# Altium PCB Thunderscope_Rev2.PCBDOC (part 5 of 6)
Units mm, origin at the board's own origin, x right, y up, seen from the top; angles counter-clockwise.
Board outline 119 x 104 mm, 6 copper layers (Top Layer, Int1 (GND), Int2 (Sign), Int3 (Sign), Int4 (GND), Bottom Layer), stack 1.49 mm thick; 547 components, 321 nets, 1905 pads, 1168 vias.
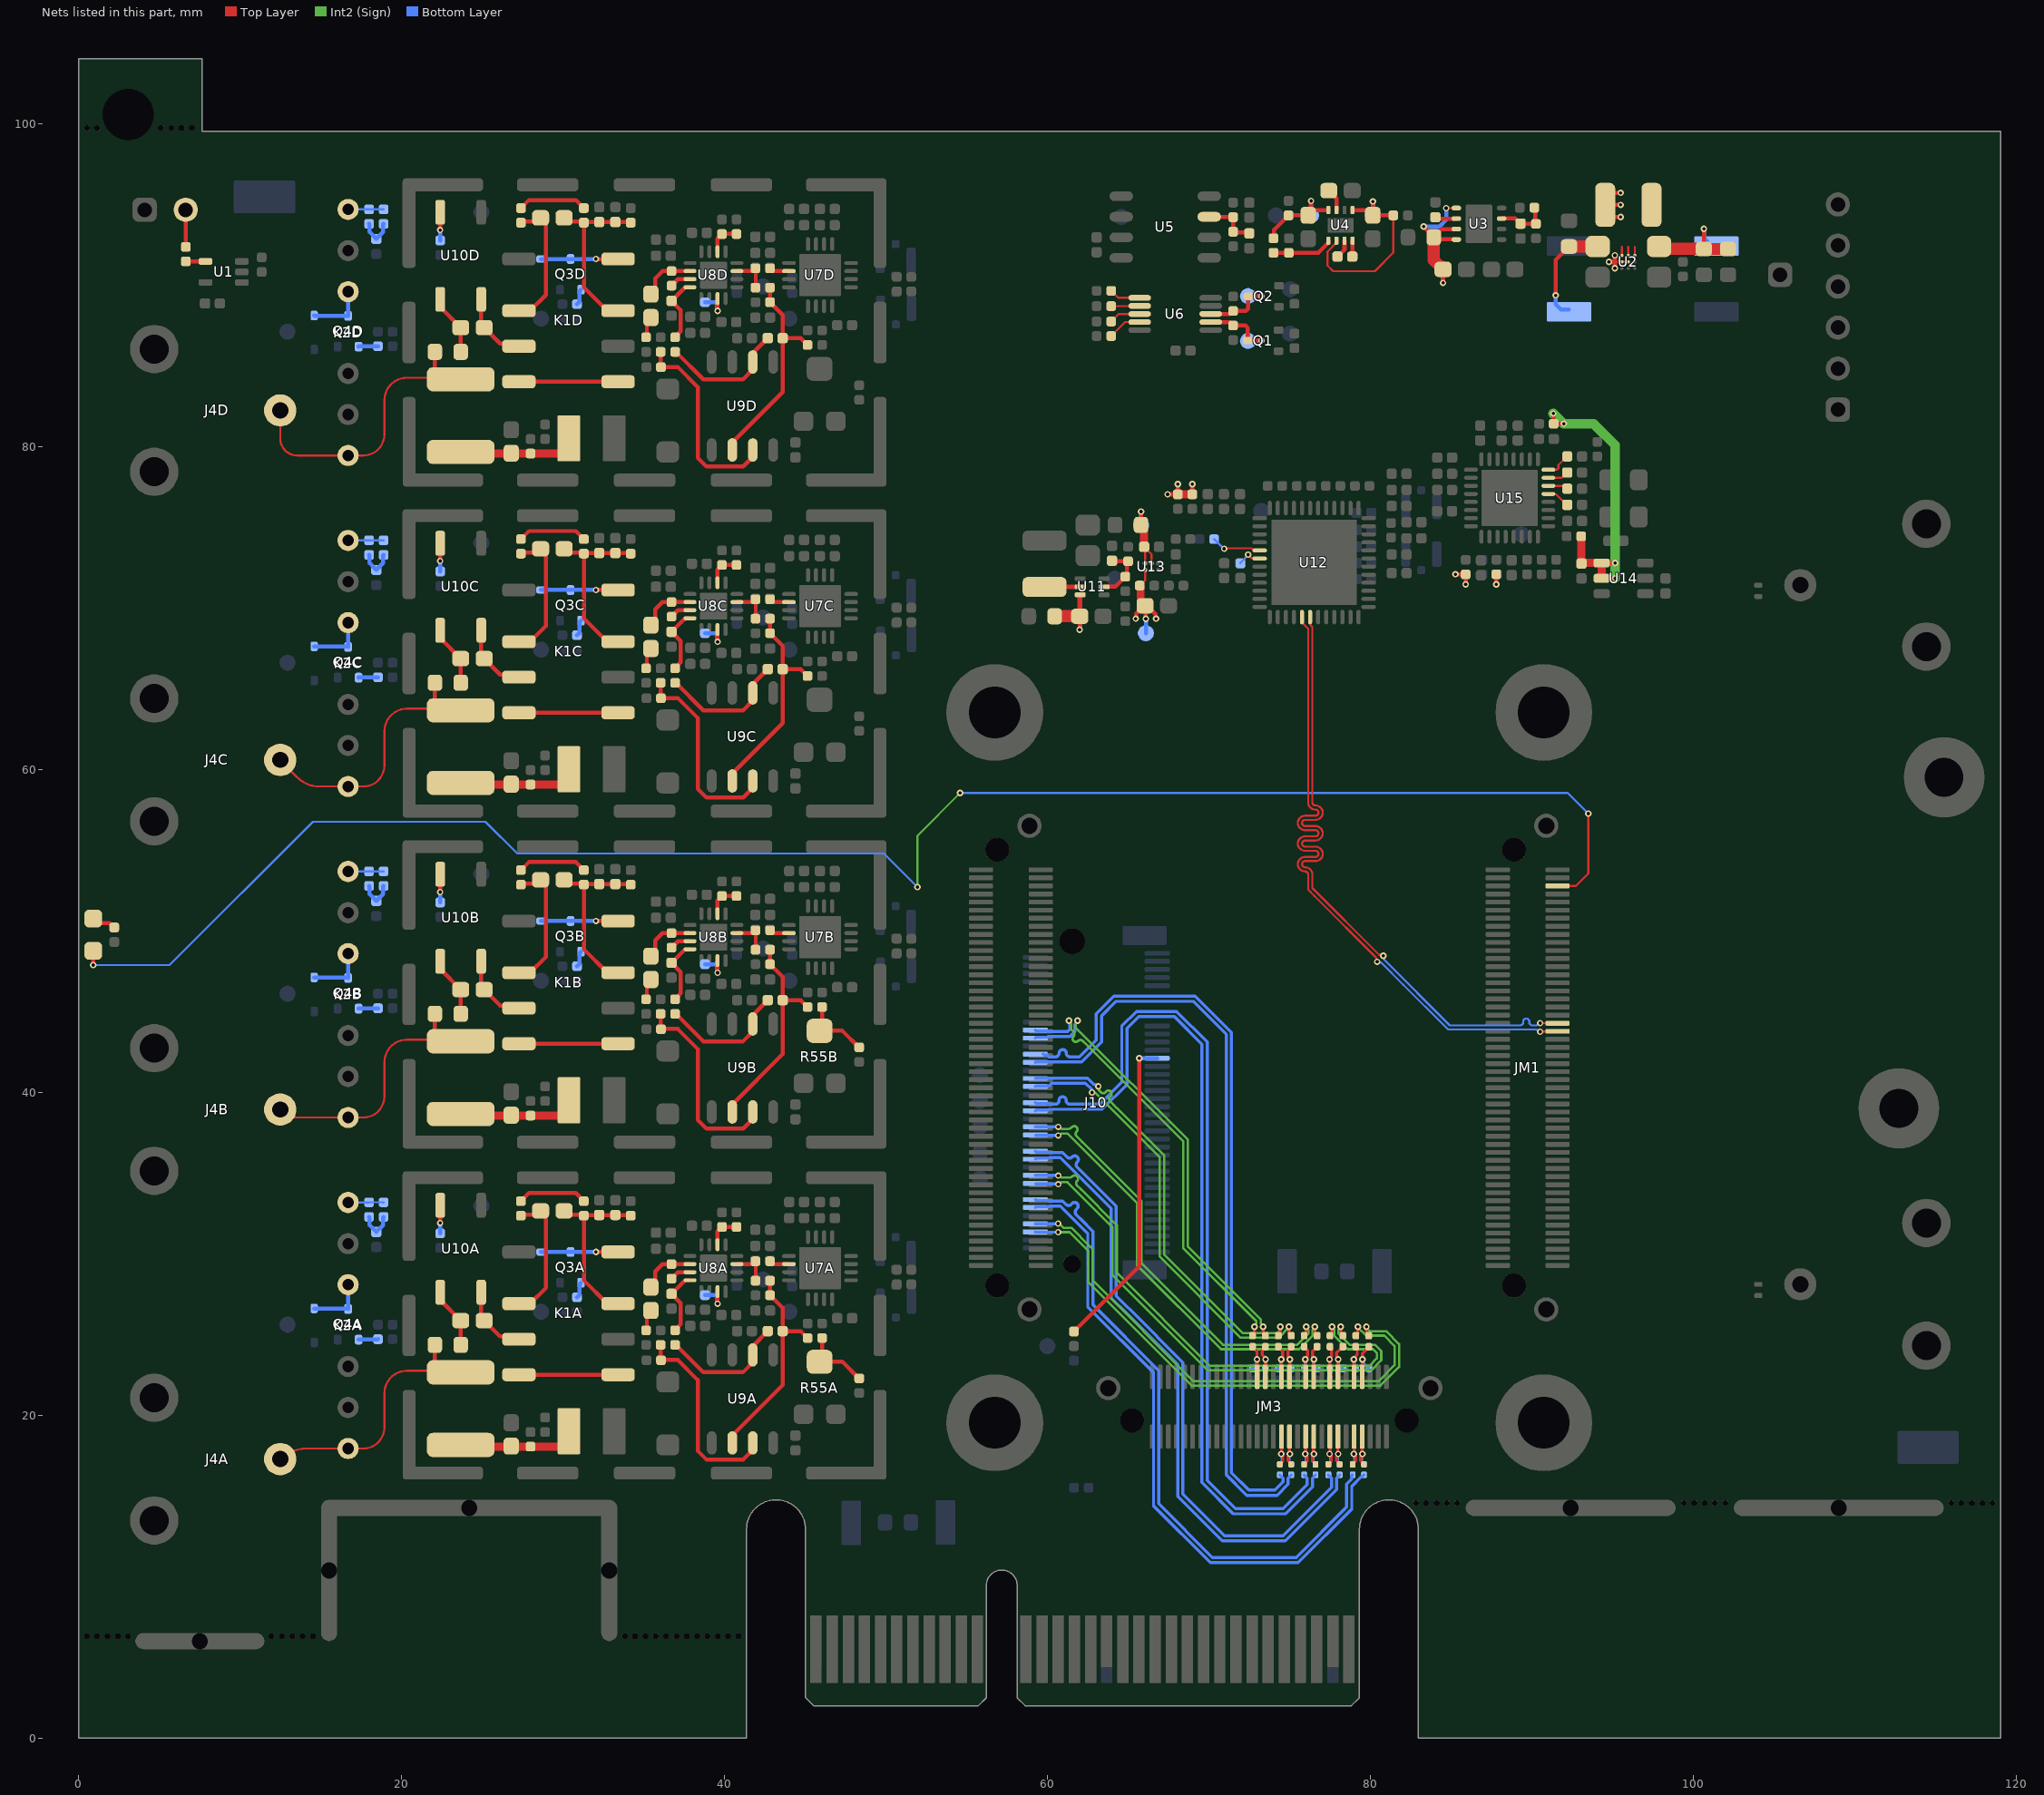
[diagram p9: the nets of this part, all layers, seen from the top]

## Via types
v1: diameter 0.406, hole 0.203, Top Layer to Bottom Layer, tented both sides, 1168 vias

## Nets (pads, with @x,y where several pads share a name; then routed paths per layer and width w, separated by ;. In a path a pad name is that pad's centre, name@x,y a point inside that pad or via, vN(x,y) a via of type N, cw(c..) or ccw(c..) an arc to the next point about the centre after c; other vN are vias at no path point) (continued)
LCLK_N: JM1.62 U12.18 | length 42
  Top Layer w0.127: U12.18@76.243,69.425 76.264,69.404 76.264,68.929 76.382,68.81 76.382,58.141 76.382,57.949 ccw(c76.573,57.949) 76.573,57.758 76.575,57.758 cw(c76.575,57.311) 76.575,56.863 75.933,56.863 ccw(c75.933,56.672) 75.933,56.482 76.575,56.482 cw(c76.575,56.034) 76.575,55.587 75.933,55.587 ccw(c75.933,55.396) 75.933,55.206 76.575,55.206 cw(c76.575,54.758) 76.575,54.31 75.933,54.31 ccw(c75.933,54.12) 75.933,53.929 75.934,53.929 cw(c75.934,53.481) 76.382,53.481 76.382,52.925 76.382,52.647 80.526,48.503 80.722,48.503 v1(80.775,48.45) ; v1(90.487,44.275) 90.491,44.271 JM1.62@91.567,44.271
  Bottom Layer w0.127: v1(80.775,48.45) 80.828,48.397 80.828,48.201 84.893,44.137 89.182,44.137 89.246,44.137 ccw(c89.246,44.327) 89.436,44.327 89.436,44.369 cw(c89.627,44.369) 89.817,44.369 89.817,44.327 ccw(c90.008,44.327) 90.008,44.137 90.273,44.137 90.411,44.275 90.475,44.275 v1(90.487,44.275)
LCLK_P: JM1.60 U12.17 | length 42
  Top Layer w0.127: U12.17@75.743,69.425 75.743,69.082 76,68.825 76.125,68.7 76.125,58.141 76.125,57.949 ccw(c76.573,57.949) 76.573,57.501 76.575,57.501 cw(c76.575,57.311) 76.575,57.12 75.933,57.12 ccw(c75.933,56.672) 75.933,56.225 76.575,56.225 cw(c76.575,56.034) 76.575,55.844 75.933,55.844 ccw(c75.933,55.396) 75.933,54.948 76.575,54.948 cw(c76.575,54.758) 76.575,54.567 75.933,54.567 ccw(c75.933,54.12) 75.933,53.672 75.934,53.672 cw(c75.934,53.481) 76.125,53.481 76.125,52.925 76.125,52.541 76.508,52.158 80.344,48.322 80.344,48.126 v1(80.398,48.073) ; v1@90.487,43.752 90.979,43.752 90.99,43.742 JM1.60@91.567,43.742
  Bottom Layer w0.127: v1(80.398,48.073) 80.451,48.019 80.647,48.019 82.013,46.653 84.636,44.03 84.786,43.88 90.273,43.88 90.411,43.742 v1(90.487,43.742)
LED: D1.1 JM1.96 | length 109.3
  Top Layer w0.127: JM1.96@91.567,52.771 92.696,52.771 93.475,53.55 v1(93.475,57.25)
  Top Layer w0.254: v1(0.9,47.87) D1.1@0.9,48.5
  Int2 (Sign) w0.127: v1(51.925,52.7) 51.925,55.875 v1(54.575,58.525)
  Bottom Layer w0.127: v1(0.9,47.87) 5.62,47.87 14.5,56.75 25.175,56.75 27.15,54.775 49.85,54.775 v1(51.925,52.7) ; v1(54.575,58.525) 92.2,58.525 v1(93.475,57.25)
M2_PER0_N: C76.1 J10.42 | length 26.9
  Top Layer w0.191: v1(74.93,25.473) 74.93,25.361 74.942,25.35 74.942,25.048 C76.1@75.075,24.915
  Int2 (Sign) w0.148: v1(62.748,39.979) 62.798,39.929 62.973,39.929 63.964,38.938 63.967,38.938 66.925,35.98 66.925,29.825 71.956,24.794 74.299,24.794 74.93,25.425 v1(74.93,25.473)
  Bottom Layer w0.191: J10.42@59.225,40.35 59.265,40.39 60.09,40.39 60.253,40.553 62.334,40.553 62.707,40.18 62.707,40.02 v1(62.748,39.979)
M2_PER0_P: C77.1 J10.44 | length 26.9
  Top Layer w0.191: C77.1@74.275,24.915 74.408,25.048 74.408,25.462 74.42,25.473 v1(74.397,25.475) v1(74.397,25.475)
  Int2 (Sign) w0.148: v1(63.131,40.351) 63.18,40.301 63.18,40.11 63.239,40.052 63.291,39.999 ccw(c63.433,40.141) 63.575,39.999 63.614,40.038 cw(c63.757,39.896) 63.899,40.038 cw(c63.757,39.896) 63.899,39.754 63.86,39.715 ccw(c64.002,39.573) 63.86,39.431 64.078,39.213 64.081,39.213 64.26,39.034 64.312,38.981 67.2,36.094 67.2,29.939 72.07,25.069 74.186,25.069 74.348,25.231 74.348,25.425 v1(74.397,25.475)
  Bottom Layer w0.191: J10.44@59.225,40.85 59.246,40.871 62.466,40.871 62.869,40.468 62.955,40.468 63.072,40.351 v1(63.131,40.351)
M2_PER1_N: C72.1 J10.30 | length 26.6
  Top Layer w0.191: v1(76.53,25.473) 76.53,25.361 76.542,25.35 76.542,25.048 C72.1@76.675,24.915
  Int2 (Sign) w0.148: v1(60.65,37.317) 60.72,37.317 60.849,37.446 61.216,37.446 65.521,33.141 65.521,29.29 70.73,24.082 75.564,24.082 76.4,24.918 76.4,25.273 76.53,25.403 v1(76.53,25.473)
  Bottom Layer w0.191: J10.30@59.25,37.325 v1@60.647,37.325
M2_PER1_P: C73.1 J10.32 | length 26.7
  Top Layer w0.191: C73.1@75.875,24.915 76.008,25.048 76.008,25.462 76.02,25.473 v1(75.997,25.475) v1(75.997,25.475)
  Int2 (Sign) w0.148: v1(60.65,37.85) 60.72,37.85 60.849,37.721 61.134,37.721 61.238,37.721 ccw(c61.238,38.064) 61.481,37.821 61.497,37.837 cw(c61.639,37.695) 61.781,37.837 cw(c61.639,37.695) 61.781,37.553 ccw(c61.923,37.411) 61.781,37.269 62.138,36.912 65.796,33.255 65.796,29.404 70.843,24.357 75.45,24.357 76.125,25.032 76.125,25.277 75.997,25.405 v1(75.997,25.475)
  Bottom Layer w0.191: J10.32@59.225,37.85 v1@60.634,37.85
M2_PER2_N: C68.1 J10.18 | length 33
  Top Layer w0.191: v1(78.13,25.473) 78.13,25.361 78.142,25.35 78.142,25.048 C68.1@78.275,24.915
  Int2 (Sign) w0.148: v1(60.65,34.3) 60.72,34.3 60.849,34.429 61.216,34.429 64,31.645 64,28.7 69.927,22.773 80.028,22.773 80.648,23.394 80.648,23.956 80.248,24.357 78.692,24.357 78,25.048 78,25.273 78.13,25.403 v1(78.13,25.473)
  Bottom Layer w0.191: J10.18@59.25,34.325 v1@60.647,34.325
M2_PER2_P: C69.1 J10.20 | length 33.1
  Top Layer w0.191: C69.1@77.475,24.915 77.608,25.048 77.608,25.462 77.62,25.473 v1(77.597,25.475) v1(77.597,25.475)
  Int2 (Sign) w0.148: v1(60.65,34.833) 60.72,34.833 60.849,34.704 61.204,34.704 61.31,34.704 ccw(c61.31,35.047) 61.532,34.786 cw(c61.674,34.644) 61.816,34.786 cw(c61.674,34.644) 61.816,34.501 ccw(c61.959,34.359) 61.816,34.217 62.046,33.987 64.275,31.759 64.275,28.814 70.041,23.048 79.914,23.048 80.373,23.507 80.373,23.842 80.134,24.082 78.578,24.082 77.725,24.934 77.725,25.277 77.597,25.405 v1(77.597,25.475)
  Bottom Layer w0.191: J10.20@59.225,34.85 v1@60.634,34.85
M2_PER3_N: C16.1 J10.6 | length 32.6
  Top Layer w0.191: v1(79.73,25.473) 79.73,25.361 79.742,25.35 79.742,25.048 C16.1@79.875,24.915
  Int2 (Sign) w0.148: v1(60.647,31.325) 61.342,31.325 62.5,30.167 62.5,28.225 68.902,21.823 80.598,21.823 81.75,22.975 81.75,24.4 80.954,25.196 79.932,25.196 79.845,25.282 79.845,25.289 79.73,25.403 v1(79.73,25.473)
  Bottom Layer w0.191: J10.6@59.225,31.35 59.25,31.325 v1(60.647,31.325)
M2_PER3_P: C65.1 J10.8 | length 32.5
  Top Layer w0.191: C65.1@79.075,24.915 79.208,25.048 79.208,25.462 79.22,25.473 v1(79.197,25.475) v1(79.197,25.475)
  Int2 (Sign) w0.148: v1(60.647,31.862) 60.711,31.862 60.973,31.6 61.456,31.6 62.591,30.465 62.775,30.281 62.775,28.339 69.016,22.098 80.484,22.098 81.475,23.089 81.475,24.286 80.84,24.921 79.711,24.921 79.197,25.435 v1(79.197,25.475)
  Bottom Layer w0.191: J10.8@59.225,31.85 v1@60.634,31.85
M2_PERST#: J10.49 R85.2 | length 19.7
  Top Layer w0.254: R85.2@61.625,25.175 65.67,29.22 v1(65.67,42.1)
  Bottom Layer w0.254: v1(65.67,42.1) J10.49@66.775,42.1
M2_PET0_N: J10.48 R82.2 | length 47.8
  Bottom Layer w0.191: J10.48@59.225,41.85 59.248,41.873 62.098,41.873 63.325,43.1 63.325,44.725 64.225,45.625 69,45.625 71.05,43.575 71.05,16.3 72.318,15.032 74.193,15.032 74.884,15.723 74.884,16.084 75.075,16.275 R82.2@75.075,16.3
M2_PET0_P: J10.50 R83.2 | length 47.3
  Bottom Layer w0.191: J10.50@59.709,42.368 59.784,42.293 59.982,42.293 60.084,42.191 60.386,42.191 60.481,42.191 ccw(c60.481,42.413) 60.704,42.413 ; 60.704,42.413 cw(c60.926,42.413) 60.926,42.636 cw(c60.926,42.413) 61.148,42.413 ; 61.148,42.413 ccw(c61.371,42.413) 61.371,42.191 61.867,42.191 61.966,42.191 63.007,43.232 63.007,44.857 64.093,45.943 69.132,45.943 71.368,43.707 71.368,16.432 72.449,15.35 74.061,15.35 74.566,15.855 74.566,16.084 74.375,16.275 R83.2@74.375,16.3
M2_PET1_N: J10.36 R78.2 | length 51.8
  Bottom Layer w0.191: J10.36@59.225,38.85 59.282,38.907 60.069,38.907 60.103,38.941 63.366,38.941 64.9,40.475 64.9,43.951 65.632,44.682 67.843,44.682 69.55,42.975 69.55,15.826 71.493,13.882 74.707,13.882 76.384,15.559 76.384,16.084 76.575,16.275 R78.2@76.575,16.3
M2_PET1_P: J10.38 R79.2 | length 51.8
  Bottom Layer w0.191: J10.38@59.225,39.35 59.282,39.293 60.069,39.293 60.103,39.259 60.378,39.259 60.474,39.259 ccw(c60.474,39.481) 60.696,39.481 60.696,39.491 cw(c60.919,39.491) 60.919,39.713 cw(c60.919,39.491) 61.141,39.491 61.141,39.481 ccw(c61.363,39.481) 61.363,39.259 61.777,39.259 63.234,39.259 64.582,40.607 64.582,44.082 65.5,45 67.974,45 69.868,43.107 69.868,15.957 71.625,14.2 74.575,14.2 76.066,15.691 76.066,16.084 75.875,16.275 R79.2@75.875,16.3
M2_PET2_N: J10.24 R74.2 | length 38.9
  Bottom Layer w0.191: J10.24@59.225,35.85 59.282,35.907 60.069,35.907 60.103,35.941 60.784,35.941 63.925,32.8 63.925,27.25 64.925,26.25 68.05,23.125 68.05,15.238 68.05,14.975 70.818,12.207 74.698,12.207 77.884,15.393 77.884,16.084 78.075,16.275 R74.2@78.075,16.3
M2_PET2_P: J10.26 R75.2 | length 38.9
  Bottom Layer w0.191: J10.26@59.225,36.35 59.282,36.293 60.069,36.293 60.103,36.259 60.916,36.259 61.125,36.05 61.192,35.982 ccw(c61.349,36.14) 61.507,35.982 61.513,35.989 cw(c61.671,35.832) 61.828,35.989 cw(c61.671,35.832) 61.828,35.674 61.821,35.668 ccw(c61.978,35.51) 61.821,35.353 61.98,35.194 62.048,35.127 64.243,32.932 64.243,27.382 64.851,26.774 65.15,26.475 68.368,23.257 68.368,15.107 70.949,12.525 74.566,12.525 77.566,15.525 77.566,16.084 77.375,16.275 R75.2@77.375,16.3
M2_PET3_N: J10.12 R70.2 | length 40.1
  Bottom Layer w0.191: J10.12@59.225,32.85 59.282,32.907 60.069,32.907 60.103,32.941 60.784,32.941 62.475,31.25 62.475,26.701 66.55,22.626 66.55,14.375 70.068,10.857 75.507,10.857 78.824,14.174 78.824,15.588 79.431,16.195 79.495,16.195 79.575,16.275 R70.2@79.575,16.3
M2_PET3_P: J10.14 R71.2 | length 40.1
  Bottom Layer w0.191: J10.14@59.225,33.35 59.282,33.293 60.069,33.293 60.103,33.259 60.916,33.259 61.062,33.112 61.13,33.045 ccw(c61.287,33.202) 61.444,33.045 61.504,33.104 cw(c61.661,32.947) 61.818,33.104 cw(c61.661,32.947) 61.818,32.79 61.759,32.73 ccw(c61.916,32.573) 61.759,32.416 61.932,32.242 62,32.175 62.793,31.382 62.793,26.832 66.868,22.757 66.868,14.507 70.199,11.175 75.375,11.175 78.506,14.306 78.506,15.72 78.809,16.023 78.809,16.234 R71.2@78.875,16.3
M2_REFCLK_N: C80.1 J10.54 | length 27.8
  Top Layer w0.191: v1(73.33,25.473) 73.33,25.361 73.342,25.35 73.342,25.048 C80.1@73.475,24.915
  Int2 (Sign) w0.148: v1(61.85,44.425) 61.85,44.355 61.725,44.23 61.725,44 68.675,37.05 68.675,30.439 73.187,25.927 73.187,25.687 73.33,25.543 v1(73.33,25.473)
  Bottom Layer w0.191: J10.54@59.225,43.35 59.282,43.407 59.982,43.407 60.016,43.441 61.36,43.441 61.676,43.757 61.676,44.192 61.85,44.367 v1(61.85,44.425)
M2_REFCLK_P: C81.1 J10.56 | length 27.7
  Top Layer w0.191: C81.1@72.675,24.915 72.808,25.048 72.808,25.462 72.82,25.473 v1(72.797,25.475) v1(72.797,25.475)
  Int2 (Sign) w0.148: v1(61.317,44.436) 61.317,44.366 61.45,44.233 61.45,44.054 61.45,43.886 61.593,43.743 cw(c61.451,43.601) 61.593,43.459 ccw(c61.735,43.317) 61.593,43.174 ccw(c61.735,43.317) 61.878,43.174 cw(c62.02,43.032) 62.162,43.175 62.214,43.122 68.4,36.936 68.4,30.325 72.912,25.813 72.912,25.659 72.797,25.545 v1(72.797,25.475)
  Bottom Layer w0.191: J10.56@59.225,43.85 59.282,43.793 59.982,43.793 60.016,43.759 61.229,43.759 61.358,43.888 61.358,44.395 v1(61.317,44.436)
MGT_CLK1_N: C40.2 C80.2 JM3.32 | length 2.6
  Top Layer w0.191: JM3.32@73.468,22.372 73.476,22.38 73.476,23.443 v1(73.485,23.452) 73.443,23.493 73.443,23.562 73.269,23.736 73.269,24.004 73.475,24.21 C80.2@73.475,24.235
  Bottom Layer w0.191: C40.2@73.45,22.89 73.463,22.903 73.463,23.431 v1(73.485,23.452)
MGT_CLK1_P: C79.2 C81.2 JM3.34 | length 2.7
  Top Layer w0.191: C81.2@72.675,24.235 72.675,24.22 72.951,23.944 v1(72.951,23.452) 72.96,23.443 72.96,22.38 JM3.34@72.968,22.372
  Bottom Layer w0.191: C79.2@72.65,22.89 72.65,22.905 72.764,23.019 72.779,23.019 72.926,23.166 72.926,23.427 v1(72.951,23.452)
MGT_RX0_N: JM3.7 R68.1 R70.1 | length 2.5
  Top Layer w0.191: JM3.7@79.468,18.672 79.452,18.656 79.452,17.624 v1(79.485,17.591) ; v1@79.485,17.533 79.375,17.423 79.375,17.175 R68.1@79.575,16.975
  Bottom Layer w0.191: v1(79.485,17.591) 79.485,17.533 79.432,17.481 79.432,17.118 79.575,16.975 R70.1@79.575,16.95
MGT_RX0_P: JM3.9 R69.1 R71.1 | length 2.5
  Top Layer w0.191: R69.1@78.875,16.975 79.057,17.157 79.057,17.427 v1@78.959,17.525 ; v1(78.951,17.591) 78.984,17.624 78.984,18.656 JM3.9@78.968,18.672
  Bottom Layer w0.191: R71.1@78.875,16.95 78.875,16.975 79.01,17.11 79.01,17.475 78.951,17.533 v1(78.951,17.591)
MGT_RX1_N: JM3.13 R72.1 R74.1 | length 2.5
  Top Layer w0.191: JM3.13@77.968,18.672 77.952,18.656 77.952,17.624 v1(77.985,17.591) ; v1@77.985,17.533 77.875,17.423 77.875,17.175 R72.1@78.075,16.975
  Bottom Layer w0.191: v1(77.985,17.591) 77.985,17.533 77.932,17.481 77.932,17.118 78.075,16.975 R74.1@78.075,16.95
MGT_RX1_P: JM3.15 R73.1 R75.1 | length 2.5
  Top Layer w0.191: R73.1@77.375,16.975 77.557,17.157 77.557,17.427 v1@77.459,17.525 ; v1(77.451,17.591) 77.484,17.624 77.484,18.656 JM3.15@77.468,18.672
  Bottom Layer w0.191: R75.1@77.375,16.95 77.375,16.975 77.51,17.11 77.51,17.475 77.451,17.533 v1(77.451,17.591)
MGT_RX2_N: JM3.19 R76.1 R78.1 | length 2.5
  Top Layer w0.191: JM3.19@76.468,18.672 76.452,18.656 76.452,17.624 v1(76.485,17.591) ; v1@76.493,17.541 76.383,17.432 76.383,17.183 R76.1@76.583,16.983
  Bottom Layer w0.191: v1(76.485,17.591) 76.485,17.533 76.432,17.481 76.432,17.118 76.575,16.975 R78.1@76.575,16.95
MGT_RX2_P: JM3.21 R77.1 R79.1 | length 2.5
  Top Layer w0.191: R77.1@75.883,16.983 76.066,17.166 76.066,17.436 v1@75.967,17.534 ; v1(75.951,17.591) 75.984,17.624 75.984,18.656 JM3.21@75.968,18.672
  Bottom Layer w0.191: R79.1@75.875,16.95 75.875,16.975 76.01,17.11 76.01,17.475 75.951,17.533 v1(75.951,17.591)
MGT_RX3_N: JM3.25 R80.1 R82.1 | length 2.6
  Top Layer w0.191: JM3.25@74.968,18.672 74.952,18.656 74.952,17.624 v1(74.985,17.591) 74.985,17.533 74.875,17.423 74.875,17.175 75.075,16.975 R80.1@75.075,16.95
  Bottom Layer w0.191: v1(74.985,17.591) 74.985,17.533 74.932,17.481 74.932,17.118 75.075,16.975 R82.1@75.075,16.95
MGT_RX3_P: JM3.27 R81.1 R83.1 | length 2.6
  Top Layer w0.191: R81.1@74.375,16.95 74.375,16.975 74.557,17.157 74.557,17.427 74.459,17.525 v1@74.459,17.591 ; v1(74.451,17.591) 74.484,17.624 74.484,18.656 JM3.27@74.468,18.672
  Bottom Layer w0.191: R83.1@74.375,16.95 74.375,16.975 74.51,17.11 74.51,17.475 74.451,17.533 v1(74.451,17.591)
MGT_TX0_N: C16.2 C62.2 JM3.8 | length 2.7
  Top Layer w0.191: JM3.8@79.476,22.38 79.476,23.822 79.875,24.22 C16.2@79.875,24.235
  Bottom Layer w0.191: v1(79.485,23.452) 79.526,23.411 79.526,23.214 79.721,23.019 79.736,23.019 79.85,22.905 C62.2@79.85,22.89
MGT_TX0_P: C15.2 C65.2 JM3.10 | length 2.6
  Top Layer w0.191: JM3.10@78.96,22.38 78.96,23.443 78.993,23.476 78.993,23.562 79.159,23.728 C65.2@79.159,24.176 ; C65.2@79.075,24.235 C65.2@79.159,24.151
  Bottom Layer w0.191: v1(78.951,23.452) 78.993,23.411 78.993,22.947 C15.2@79.05,22.89
MGT_TX1_N: C66.2 C68.2 JM3.14 | length 2.7
  Top Layer w0.191: JM3.14@77.976,22.38 v1@77.976,23.443 ; v1(77.985,23.452) 77.985,23.51 77.893,23.602 77.893,23.863 78.136,24.106 78.161,24.106 78.275,24.22 C68.2@78.275,24.235
  Bottom Layer w0.191: v1@77.987,23.436 77.992,23.431 77.992,23.148 78.121,23.019 78.136,23.019 78.25,22.905 C66.2@78.25,22.89
MGT_TX1_P: C67.2 C69.2 JM3.16 | length 2.5
  Top Layer w0.191: v1(77.451,23.452) 77.451,23.51 77.575,23.634 77.575,24.135 C69.2@77.475,24.235 ; JM3.16@77.46,22.38 v1@77.46,23.443
  Bottom Layer w0.191: C67.2@77.451,22.891 v1@77.451,23.451
MGT_TX2_N: C70.2 C72.2 JM3.20 | length 2.6
  Top Layer w0.191: JM3.20@76.476,22.38 v1@76.476,23.443 ; v1(76.485,23.452) 76.485,23.51 76.393,23.602 76.393,23.948 76.552,24.106 76.561,24.106 76.675,24.22 C72.2@76.675,24.235
  Bottom Layer w0.191: v1(76.485,23.452) 76.485,23.105 76.65,22.94 C70.2@76.65,22.89
MGT_TX2_P: C71.2 C73.2 JM3.22 | length 2.6
  Top Layer w0.191: v1@75.875,23.452 75.893,23.452 76.075,23.634 76.075,24.01 75.875,24.21 C73.2@75.875,24.235 ; JM3.22@75.96,22.38 v1@75.96,23.443
  Bottom Layer w0.191: C71.2@75.85,22.89 75.951,22.991 v1(75.951,23.452)
MGT_TX3_N: C74.2 C76.2 JM3.26 | length 2.6
  Top Layer w0.191: JM3.26@74.976,22.38 v1@74.976,23.443 ; v1(74.985,23.452) 74.985,23.51 74.868,23.627 74.868,24.003 75.075,24.21 C76.2@75.075,24.235
  Bottom Layer w0.191: v1(74.985,23.452) 74.985,22.955 C74.2@75.05,22.89
MGT_TX3_P: C75.2 C77.2 JM3.28 | length 2.7
  Top Layer w0.191: C77.2@74.275,24.235 74.275,24.22 74.389,24.106 74.398,24.106 74.55,23.955 74.55,23.609 74.447,23.506 v1@74.447,23.452 ; JM3.28@74.46,22.38 v1@74.46,23.443
  Bottom Layer w0.191: C75.2@74.25,22.89 74.25,22.915 74.451,23.116 v1(74.451,23.452)
NetC2_2: C2.2 L1.1 R3.1 R5.1 TP3.1 U2.A3 | length 7.6
  Top Layer w0.127: U2.A3@96.35,91.825 96.35,92.35
  Top Layer w0.254: R5.1@100.625,92.225 v1(100.625,93.475)
  Top Layer w0.75: C2.2@97.85,92.375 97.998,92.227 100.573,92.227 R5.1@100.575,92.225 ; R5.1@100.625,92.225 R3.1@102.125,92.225
  Bottom Layer w0.254: v1(100.625,93.475) 100.625,92.873 101.098,92.4 TP3.1@101.4,92.4
NetC3_2: C3.2 R4.1 TP1.1 U2.A1 U2.A2 | length 7.7
  Top Layer w0.127: U2.A1@95.55,91.825 95.55,92.35 ; U2.A2@95.95,91.825 95.95,92.35
  Top Layer w0.254: v1(91.45,89.35) 91.445,89.355 91.445,91.545 R4.1@92.275,92.375
  Top Layer w0.75: R4.1@92.275,92.375 C3.2@94.05,92.375
  Bottom Layer w0.254: v1(91.45,89.35) 91.45,88.798 91.773,88.475 TP1.1@92.275,88.475
NetC4_1: C4.1 R10.1 R12.2 U3.3 | length 3.3
  Top Layer w0.254: U3.3@88.1,94.105 88.942,94.105 89.257,93.79 C4.1@89.275,93.79 89.282,93.783 R10.1@90.218,93.783 ; R12.2@90.125,94.78 90.175,94.73 90.175,93.825 R10.1@90.218,93.783 ; R10.1@90.225,93.775 R10.1@90.218,93.783
NetC5_2: C5.2 R9.1 R11.2 TP12.1 U4.4 | length 6.1
  Top Layer w0.254: R11.2@73.976,92.884 74.001,92.91 74.001,93.401 R9.1@74.9,94.3 74.905,94.305 76.121,94.305 C5.2@76.126,94.309 C5.2@76.271,94.455 ; v1(76.3,95.2) 76.271,95.171 C5.2@76.271,94.455 ; U4.4@77.376,94.634 76.451,94.634 C5.2@76.271,94.455
  Bottom Layer w0.254: TP12.1@76.3,94.3 v1(76.3,95.2)
NetC6_2: C6.2 R7.2 TP9.1 U3.5 U3.7 U3.8 | length 10.8
  Top Layer w0.127: v1(84.67,94.748) 84.677,94.755 U3.5@85.3,94.755
  Top Layer w0.254: v1(83.282,93.618) 83.9,93 R7.2@83.9,92.95 ; v1(84.475,90.12) C6.2@84.475,90.955 C6.2@84.475,90.965 ; U3.8@85.3,92.805 85.291,92.814 84.036,92.814 R7.2@83.9,92.95 ; U3.7@85.3,93.455 84.408,93.455 83.903,92.95 R7.2@83.9,92.95
  Top Layer w0.75: R7.2@83.9,92.95 83.9,91.54 C6.2@84.475,90.965
  Bottom Layer w0.254: v1(83.282,93.618) 84.268,93.618 84.67,94.02 v1(84.67,94.748) ; v1(84.475,90.12) TP9.1@84.475,90.95
NetC8_2: C8.2 R8.2 TP11.1 U4.1 U4.6 | length 13.1
  Top Layer w0.127: U4.6@77.876,92.734 77.876,92.609 77.325,92.059 77.325,91.2 77.675,90.85 80.25,90.85 81.4,92 R8.2@81.4,94.3
  Top Layer w0.254: U4.1@78.876,94.634 79.801,94.634 C8.2@80.125,94.31 ; v1(80.125,95.165) C8.2@80.125,94.31 ; R8.2@81.4,94.3 81.395,94.305 80.13,94.305 C8.2@80.126,94.309
  Bottom Layer w0.254: TP11.1@80.125,94.325 v1(80.125,95.165)
NetC9_1: C9.1 U4.7 | length 1.2
  Top Layer w0.254: C9.1@77.94,91.75 78.376,92.186 U4.7@78.376,92.734
NetC9_2: C9.2 U4.8 | length 1
  Top Layer w0.254: C9.2@78.86,91.75 78.874,91.764 U4.8@78.876,92.734 U4.8@78.876,92.734